# KiCad board Engine.kicad_pcb (continued)
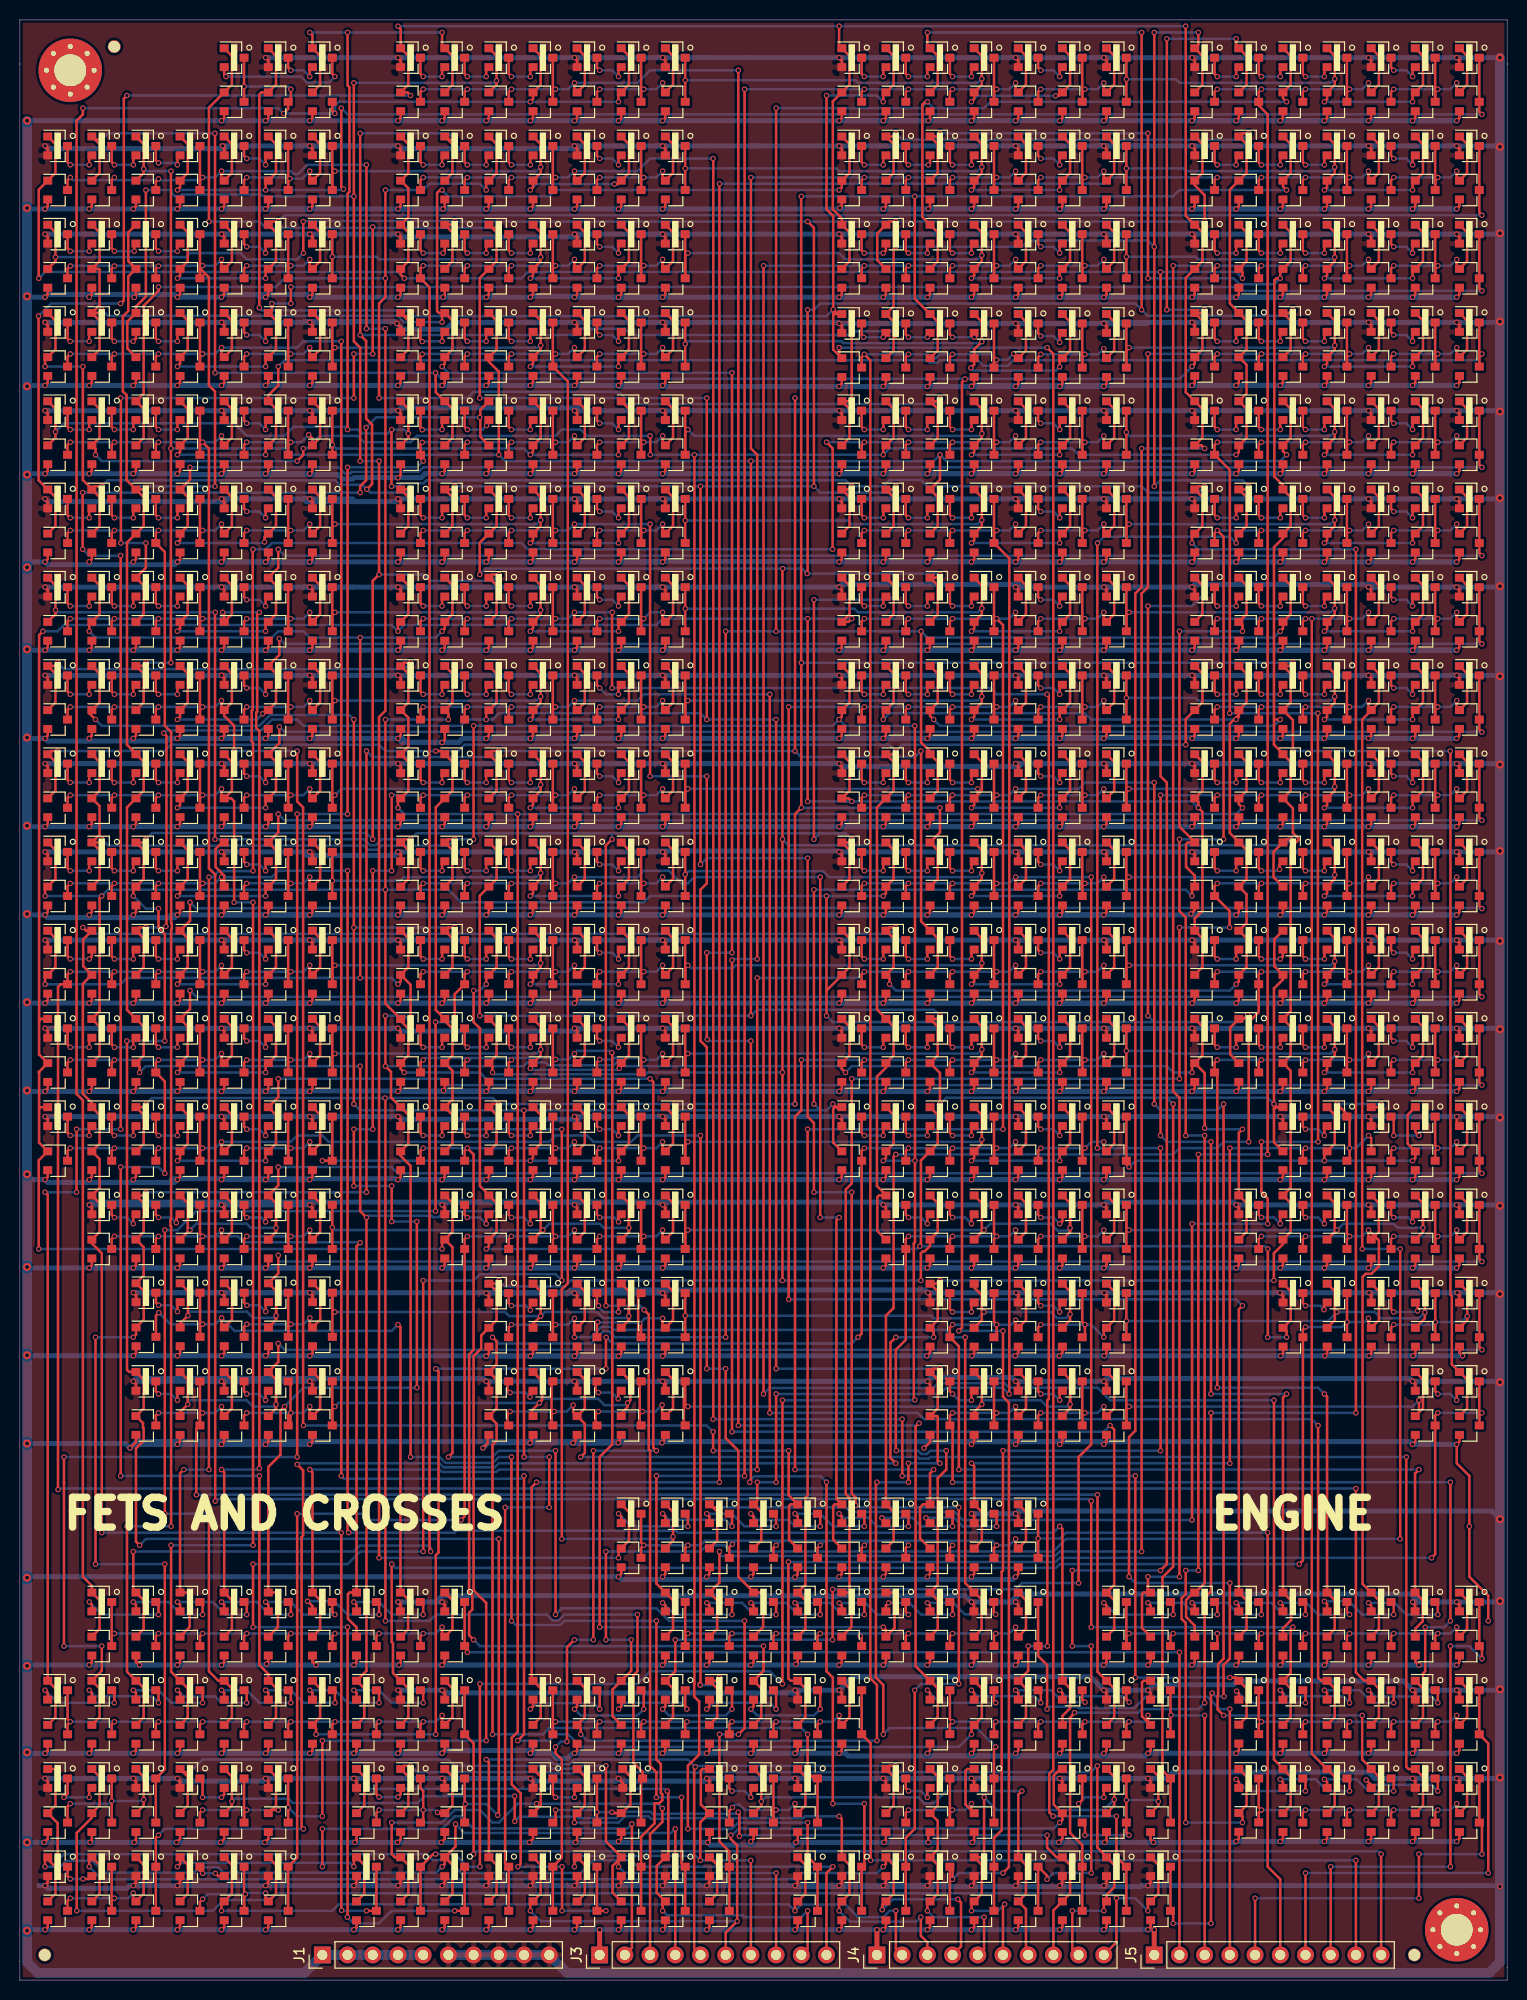
[diagram p0: board, top side]
## Routing (per net, layer and track width the routed paths; a pad name or vN(x,y) marks a point on that pad's centre or on a via; arc(x,y) is an arc through that point) (continued)
Net-(Q772-Pad3): length 4.6
  Top w0.25: v1(138.43,156.84) 138.16,157.12 Q772.3 ; Q773.2 140.33,156.89 v1(140.33,156.21)
  Bottom w0.25: v1(140.33,156.21) 139.7,156.84 v1(138.43,156.84)
Net-(Q777-Pad3): length 5
  Top w0.25: v1(6.99,147.32) 6.99,148 Q778.2 ; Q777.3 4.81,147.59 v1(5.08,147.32)
  Bottom w0.25: v1(5.08,147.32) v1(6.99,147.32)
Net-(Q778-Pad3): length 5
  Top w0.25: v1(11.43,147.32) 11.43,148 Q779.2 ; Q778.3 9.26,147.59 v1(9.53,147.32)
  Bottom w0.25: v1(9.53,147.32) v1(11.43,147.32)
Net-(Q779-Pad3): length 5
  Top w0.25: v1(15.87,147.32) 15.87,148 Q780.2 ; Q779.3 13.7,147.59 v1(13.97,147.32)
  Bottom w0.25: v1(13.97,147.32) v1(15.87,147.32)
Net-(Q786-Pad3): length 4.6
  Top w0.25: v1(22.86,147.95) 22.59,148.22 Q786.3 ; Q787.2 24.77,148 v1(24.77,147.32)
  Bottom w0.25: v1(24.77,147.32) 24.13,147.95 v1(22.86,147.95)
Net-(Q791-Pad3): length 5
  Top w0.25: v1(42.54,147.32) 42.54,148 Q792.2 ; Q791.3 40.37,147.59 v1(40.64,147.32)
  Bottom w0.25: v1(40.64,147.32) v1(42.54,147.32)
Net-(Q792-Pad3): length 5
  Top w0.25: v1(46.99,147.32) 46.99,148 Q793.2 ; Q792.3 44.81,147.59 v1(45.09,147.32)
  Bottom w0.25: v1(45.09,147.32) v1(46.99,147.32)
Net-(Q793-Pad3): length 5
  Top w0.25: v1(51.43,147.32) 51.43,148 Q794.2 ; Q793.3 49.26,147.59 v1(49.53,147.32)
  Bottom w0.25: v1(49.53,147.32) v1(51.43,147.32)
Net-(Q800-Pad3): length 4.6
  Top w0.25: v1(58.42,147.95) 58.15,148.22 Q800.3 ; Q801.2 60.32,148 v1(60.32,147.32)
  Bottom w0.25: v1(60.32,147.32) 59.69,147.95 v1(58.42,147.95)
Net-(Q805-Pad3): length 5
  Top w0.25: v1(87,147.32) 87,148 Q806.2 ; Q805.3 84.82,147.59 v1(85.09,147.32)
  Bottom w0.25: v1(85.09,147.32) v1(87,147.32)
Net-(Q806-Pad3): length 5
  Top w0.25: v1(91.44,147.32) 91.44,148 Q807.2 ; Q806.3 89.27,147.59 v1(89.54,147.32)
  Bottom w0.25: v1(89.54,147.32) v1(91.44,147.32)
Net-(Q807-Pad3): length 5
  Top w0.25: v1(95.89,147.32) 95.89,148 Q808.2 ; Q807.3 93.71,147.59 v1(93.98,147.32)
  Bottom w0.25: v1(93.98,147.32) v1(95.89,147.32)
Net-(Q814-Pad3): length 4.6
  Top w0.25: v1(102.87,147.95) 102.6,148.22 Q814.3 ; Q815.2 104.78,148 v1(104.78,147.32)
  Bottom w0.25: v1(104.78,147.32) 104.14,147.95 v1(102.87,147.95)
Net-(Q819-Pad3): length 5
  Top w0.25: v1(122.55,147.32) 122.55,148 Q820.2 ; Q819.3 120.38,147.59 v1(120.65,147.32)
  Bottom w0.25: v1(120.65,147.32) v1(122.55,147.32)
Net-(Q820-Pad3): length 5
  Top w0.25: v1(127,147.32) 127,148 Q821.2 ; Q820.3 124.83,147.59 v1(125.1,147.32)
  Bottom w0.25: v1(125.1,147.32) v1(127,147.32)
Net-(Q821-Pad3): length 5
  Top w0.25: v1(131.44,147.32) 131.44,148 Q822.2 ; Q821.3 129.27,147.59 v1(129.54,147.32)
  Bottom w0.25: v1(129.54,147.32) v1(131.44,147.32)
Net-(Q828-Pad3): length 4.6
  Top w0.25: v1(138.43,147.95) 138.16,148.22 Q828.3 ; Q829.2 140.33,148 v1(140.33,147.32)
  Bottom w0.25: v1(140.33,147.32) 139.7,147.95 v1(138.43,147.95)
Net-(Q833-Pad3): length 5
  Top w0.25: Q833.3 40.37,174.26 v1(40.64,173.99) ; Q834.2 42.81,174.16 v1(42.64,173.99)
  Bottom w0.25: v1(40.64,173.99) v1(42.64,173.99)
Net-(Q834-Pad3): length 5
  Top w0.25: v1(46.99,173.99) 46.99,174.67 Q835.2 ; Q834.3 44.81,174.26 v1(45.09,173.99)
  Bottom w0.25: v1(45.09,173.99) v1(46.99,173.99)
Net-(Q835-Pad3): length 5
  Top w0.25: v1(51.43,173.99) 51.43,174.67 Q836.2 ; Q835.3 49.26,174.26 v1(49.53,173.99)
  Bottom w0.25: v1(49.53,173.99) v1(51.43,173.99)
Net-(Q842-Pad3): length 4.6
  Top w0.25: v1(58.42,174.62) 58.15,174.89 Q842.3 ; Q843.2 60.32,174.67 v1(60.32,173.99)
  Bottom w0.25: v1(60.32,173.99) 59.69,174.62 v1(58.42,174.62)
Net-(Q847-Pad3): length 5
  Top w0.25: Q847.3 84.82,174.26 v1(85.09,173.99) ; v1(86.99,173.99) 87.27,174.26 Q848.2
  Bottom w0.25: v1(86.99,173.99) 86.99,173.99 v1(85.09,173.99)
Net-(Q848-Pad3): length 5
  Top w0.25: v1(91.44,173.99) 91.44,174.67 Q849.2 ; Q848.3 89.27,174.26 v1(89.54,173.99)
  Bottom w0.25: v1(89.54,173.99) v1(91.44,173.99)
Net-(Q849-Pad3): length 5
  Top w0.25: v1(95.89,173.99) 95.89,174.67 Q850.2 ; Q849.3 93.71,174.26 v1(93.98,173.99)
  Bottom w0.25: v1(93.98,173.99) v1(95.89,173.99)
Net-(Q856-Pad3): length 4.6
  Top w0.25: v1(102.87,174.62) 102.6,174.89 Q856.3 ; Q857.2 104.78,174.67 v1(104.78,173.99)
  Bottom w0.25: v1(104.78,173.99) 104.14,174.62 v1(102.87,174.62)
Net-(Q861-Pad3): length 5
  Top w0.25: v1(122.55,173.99) 122.55,174.67 Q862.2 ; Q861.3 120.38,174.26 v1(120.65,173.99)
  Bottom w0.25: v1(120.65,173.99) v1(122.55,173.99)
Net-(Q862-Pad3): length 5
  Top w0.25: v1(127,173.99) 127,174.67 Q863.2 ; Q862.3 124.83,174.26 v1(125.1,173.99)
  Bottom w0.25: v1(125.1,173.99) v1(127,173.99)
Net-(Q863-Pad3): length 5
  Top w0.25: v1(131.44,173.99) 131.44,174.67 Q864.2 ; Q863.3 129.27,174.26 v1(129.54,173.99)
  Bottom w0.25: v1(129.54,173.99) v1(131.44,173.99)
Net-(Q870-Pad3): length 4.6
  Top w0.25: v1(138.43,174.62) 138.16,174.89 Q870.3 ; Q871.2 140.33,174.67 v1(140.33,173.99)
  Bottom w0.25: v1(140.33,173.99) 139.7,174.62 v1(138.43,174.62)
Net-(Q875-Pad3): length 5
  Top w0.25: v1(6.99,165.1) 6.99,165.78 Q876.2 ; Q875.3 4.81,165.37 v1(5.08,165.1)
  Bottom w0.25: v1(5.08,165.1) v1(6.99,165.1)
Net-(Q876-Pad3): length 5
  Top w0.25: Q876.3 9.26,165.37 v1(9.53,165.1) ; v1(11.43,165.1) 11.7,165.37 Q877.2
  Bottom w0.25: v1(9.53,165.1) v1(11.43,165.1)
Net-(Q877-Pad3): length 5
  Top w0.25: v1(15.87,165.1) 15.87,165.78 Q878.2 ; Q877.3 13.7,165.37 v1(13.97,165.1)
  Bottom w0.25: v1(13.97,165.1) v1(15.87,165.1)
Net-(Q884-Pad3): length 4.6
  Top w0.25: v1(22.86,165.73) 22.59,166 Q884.3 ; Q885.2 24.77,165.78 v1(24.77,165.1)
  Bottom w0.25: v1(24.77,165.1) 24.13,165.73 v1(22.86,165.73)
Net-(Q889-Pad3): length 5.1
  Top w0.25: v1(42.54,165.1) 42.54,165.78 Q890.2 ; Q889.3 40.37,165.26 v1(40.54,165.08)
  Bottom w0.25: v1(40.54,165.08) 40.56,165.1 v1(42.54,165.1)
Net-(Q890-Pad3): length 5
  Top w0.25: v1(46.99,165.1) 46.99,165.78 Q891.2 ; Q890.3 44.81,165.37 v1(45.09,165.1)
  Bottom w0.25: v1(45.09,165.1) v1(46.99,165.1)
Net-(Q891-Pad3): length 5
  Top w0.25: v1(51.43,165.1) 51.43,165.78 Q892.2 ; Q891.3 49.26,165.37 v1(49.53,165.1)
  Bottom w0.25: v1(49.53,165.1) v1(51.43,165.1)
Net-(Q898-Pad3): length 4.6
  Top w0.25: v1(58.42,165.73) 58.15,166 Q898.3 ; Q899.2 60.32,165.78 v1(60.32,165.1)
  Bottom w0.25: v1(60.32,165.1) 59.69,165.73 v1(58.42,165.73)
Net-(Q903-Pad3): length 4
  Top w0.25: Q903.3 84.82,165.7 v1(85,165.52) ; v1(86.99,165.52) 87.27,165.79 Q904.2
  Bottom w0.25: v1(86.99,165.52) v1(85,165.52)
Net-(Q904-Pad3): length 3.9
  Top w0.25: v1(91.43,165.52) 91.71,165.79 Q905.2 ; Q904.3 89.27,165.78 v1(89.53,165.52)
  Bottom w0.25: v1(91.43,165.52) v1(89.53,165.52)
Net-(Q905-Pad3): length 4.1
  Top w0.25: Q906.2 96.16,165.53 v1(96.17,165.52) ; Q905.3 93.71,165.78 v1(93.97,165.52)
  Bottom w0.25: v1(96.17,165.52) v1(93.97,165.52)
Net-(Q912-Pad3): length 4.6
  Top w0.25: v1(102.87,165.63) 102.6,165.9 Q912.3 ; Q913.2 104.78,165.68 v1(104.78,165)
  Bottom w0.25: v1(104.78,165) 104.14,165.63 v1(102.87,165.63)
Net-(Q917-Pad3): length 5
  Top w0.25: v1(122.55,165.1) 122.55,165.78 Q918.2 ; Q917.3 120.38,165.37 v1(120.65,165.1)
  Bottom w0.25: v1(120.65,165.1) v1(122.55,165.1)
Net-(Q918-Pad3): length 5
  Top w0.25: v1(127,165.1) 127,165.78 Q919.2 ; Q918.3 124.83,165.37 v1(125.1,165.1)
  Bottom w0.25: v1(125.1,165.1) v1(127,165.1)
Net-(Q919-Pad3): length 5
  Top w0.25: v1(131.44,165.1) 131.44,165.78 Q920.2 ; Q919.3 129.27,165.37 v1(129.54,165.1)
  Bottom w0.25: v1(129.54,165.1) v1(131.44,165.1)
Net-(Q926-Pad3): length 4.6
  Top w0.25: v1(138.43,165.73) 138.16,166 Q926.3 ; Q927.2 140.33,165.78 v1(140.33,165.1)
  Bottom w0.25: v1(140.33,165.1) 139.7,165.73 v1(138.43,165.73)
Net-(Q931-Pad3): length 5
  Top w0.25: v1(6.99,156.21) 6.99,156.89 Q932.2 ; Q931.3 4.81,156.48 v1(5.08,156.21)
  Bottom w0.25: v1(5.08,156.21) v1(6.99,156.21)
Net-(Q932-Pad3): length 5
  Top w0.25: v1(11.43,156.21) 11.43,156.89 Q933.2 ; Q932.3 9.26,156.48 v1(9.53,156.21)
  Bottom w0.25: v1(9.53,156.21) v1(11.43,156.21)
Net-(Q933-Pad3): length 5
  Top w0.25: v1(15.87,156.21) 15.87,156.89 Q934.2 ; Q933.3 13.7,156.48 v1(13.97,156.21)
  Bottom w0.25: v1(13.97,156.21) v1(15.87,156.21)
Net-(Q940-Pad3): length 4.6
  Top w0.25: v1(22.86,156.84) 22.59,157.12 Q940.3 ; Q941.2 24.77,156.89 v1(24.77,156.21)
  Bottom w0.25: v1(24.77,156.21) 24.13,156.84 v1(22.86,156.84)
Net-(Q945-Pad3): length 5.1
  Top w0.25: v1(42.54,156.21) 42.54,156.89 Q946.2 ; Q945.3 40.37,156.37 v1(40.54,156.19)
  Bottom w0.25: v1(42.54,156.21) 40.56,156.21 v1(40.54,156.19)
Net-(Q946-Pad3): length 4.8
  Top w0.25: Q946.3 44.81,156.48 v1(45.09,156.21) ; Q947.2 47.03,156.94 v1(47.03,156.61)
  Bottom w0.25: v1(45.09,156.21) 46.63,156.21 v1(47.03,156.61)
Net-(Q947-Pad3): length 5
  Top w0.25: v1(51.43,156.21) 51.43,156.89 Q948.2 ; Q947.3 49.26,156.48 v1(49.53,156.21)
  Bottom w0.25: v1(49.53,156.21) v1(51.43,156.21)
Net-(Q954-Pad3): length 4.6
  Top w0.25: v1(58.42,156.84) 58.15,157.12 Q954.3 ; Q955.2 60.32,156.89 v1(60.32,156.21)
  Bottom w0.25: v1(60.32,156.21) 59.69,156.84 v1(58.42,156.84)
Net-(Q959-Pad3): length 5
  Top w0.25: v1(42.54,191.77) 42.54,192.45 42.81,192.72 ; Q959.3 40.37,192.04 v1(40.64,191.77)
  Bottom w0.25: v1(40.64,191.77) v1(42.54,191.77)
Net-(Q960-Pad3): length 5
  Top w0.25: v1(46.99,191.77) 46.99,192.45 47.26,192.72 ; Q960.3 44.81,192.04 v1(45.09,191.77)
  Bottom w0.25: v1(45.09,191.77) v1(46.99,191.77)
Net-(Q961-Pad3): length 5
  Top w0.25: v1(51.43,191.77) 51.43,192.45 51.7,192.72 ; Q961.3 49.26,192.04 v1(49.53,191.77)
  Bottom w0.25: v1(49.53,191.77) v1(51.43,191.77)
Net-(Q968-Pad3): length 4.6
  Top w0.25: v1(58.42,192.41) 58.15,192.67 Q968.3 ; 60.59,192.72 60.32,192.45 v1(60.32,191.77)
  Bottom w0.25: v1(60.32,191.77) 59.69,192.41 v1(58.42,192.41)
Net-(Q973-Pad3): length 4.6
  Top w0.25: Q973.3 27.03,192.67 v1(27.3,192.41) ; v1(29.21,191.77) 29.21,192.45 29.48,192.72
  Bottom w0.25: v1(29.21,191.77) 28.57,192.41 v1(27.3,192.41)
Net-(Q974-Pad3): length 14.5
  Top w0.25: v1(31.75,191.77) 31.48,192.04 Q974.3 ; v1(20.76,191.77) 20.59,191.94 20.59,192.72
  Bottom w0.25: v1(31.75,191.77) 31.15,191.17 28.92,191.17 28.32,191.77 v1(20.76,191.77)
Net-(Q979-Pad3): length 5
  Top w0.25: v1(87,191.77) 87,192.45 87.27,192.72 ; Q979.3 84.82,192.04 v1(85.09,191.77)
  Bottom w0.25: v1(85.09,191.77) v1(87,191.77)
Net-(Q980-Pad3): length 5
  Top w0.25: v1(91.44,191.77) 91.44,192.45 91.71,192.72 ; Q980.3 89.27,192.04 v1(89.54,191.77)
  Bottom w0.25: v1(89.54,191.77) v1(91.44,191.77)
Net-(Q981-Pad3): length 5
  Top w0.25: v1(95.89,191.77) 95.89,192.45 96.16,192.72 ; Q981.3 93.71,192.04 v1(93.98,191.77)
  Bottom w0.25: v1(93.98,191.77) v1(95.89,191.77)
Net-(Q988-Pad3): length 4.6
  Top w0.25: v1(102.87,192.41) 102.6,192.67 Q988.3 ; 105.05,192.72 104.78,192.45 v1(104.78,191.77)
  Bottom w0.25: v1(104.78,191.77) 104.14,192.41 v1(102.87,192.41)
Net-(Q993-Pad3): length 5
  Top w0.25: v1(120.65,191.77) 120.38,192.04 Q993.3 ; v1(122.55,191.77) 122.55,192.45 122.83,192.72
  Bottom w0.25: v1(120.65,191.77) v1(122.55,191.77)
Net-(Q994-Pad3): length 5
  Top w0.25: v1(125.1,191.77) 124.83,192.04 Q994.3 ; v1(127,191.77) 127,192.45 127.27,192.72
  Bottom w0.25: v1(125.1,191.77) v1(127,191.77)
Net-(Q995-Pad3): length 5
  Top w0.25: v1(131.44,191.77) 131.44,192.45 131.72,192.72 ; Q995.3 129.27,192.04 v1(129.54,191.77)
  Bottom w0.25: v1(129.54,191.77) v1(131.44,191.77)
Net-(Q1002-Pad3): length 4.6
  Top w0.25: 140.6,192.72 140.33,192.45 v1(140.33,191.77) ; v1(138.43,192.41) 138.16,192.67 Q1002.3
  Bottom w0.25: v1(140.33,191.77) 139.7,192.41 v1(138.43,192.41)
Net-(Q1007-Pad3): length 5
  Top w0.25: v1(6.99,182.88) 6.99,183.56 Q1008.2 ; Q1007.3 4.81,183.15 v1(5.08,182.88)
  Bottom w0.25: v1(5.08,182.88) v1(6.99,182.88)
Net-(Q1008-Pad3): length 5
  Top w0.25: v1(11.43,182.88) 11.43,183.56 Q1009.2 ; Q1008.3 9.26,183.15 v1(9.53,182.88)
  Bottom w0.25: v1(9.53,182.88) v1(11.43,182.88)
Net-(Q1009-Pad3): length 4.9
  Top w0.25: v1(15.87,182.88) 15.87,183.56 Q1010.2 ; v1(13.97,183.07) 13.7,183.34 Q1009.3
  Bottom w0.25: v1(15.87,182.88) 15.68,183.07 v1(13.97,183.07)
Net-(Q1016-Pad3): length 4.6
  Top w0.25: v1(22.86,183.51) 22.59,183.78 Q1016.3 ; Q1017.2 24.77,183.56 v1(24.77,182.88)
  Bottom w0.25: v1(24.77,182.88) 24.13,183.51 v1(22.86,183.51)
Net-(Q1021-Pad3): length 5
  Top w0.25: v1(42.54,182.88) 42.54,183.56 Q1022.2 ; Q1021.3 40.37,183.15 v1(40.64,182.88)
  Bottom w0.25: v1(40.64,182.88) v1(42.54,182.88)
Net-(Q1022-Pad3): length 5
  Top w0.25: v1(46.99,182.88) 46.99,183.56 Q1023.2 ; Q1022.3 44.81,183.15 v1(45.09,182.88)
  Bottom w0.25: v1(45.09,182.88) v1(46.99,182.88)
Net-(Q1023-Pad3): length 5
  Top w0.25: v1(51.43,182.88) 51.43,183.56 Q1024.2 ; Q1023.3 49.26,183.15 v1(49.53,182.88)
  Bottom w0.25: v1(49.53,182.88) v1(51.43,182.88)
Net-(Q1030-Pad3): length 4.6
  Top w0.25: v1(58.42,183.51) 58.15,183.78 Q1030.3 ; Q1031.2 60.32,183.56 v1(60.32,182.88)
  Bottom w0.25: v1(60.32,182.88) 59.69,183.51 v1(58.42,183.51)
Net-(Q1035-Pad3): length 5
  Top w0.25: v1(87,182.88) 87,183.56 Q1036.2 ; Q1035.3 84.82,183.15 v1(85.09,182.88)
  Bottom w0.25: v1(85.09,182.88) v1(87,182.88)
Net-(Q1036-Pad3): length 5
  Top w0.25: Q1036.3 89.27,183.15 v1(89.54,182.88) ; v1(91.54,182.88) 91.71,183.05 Q1037.2
  Bottom w0.25: v1(89.54,182.88) v1(91.54,182.88)
Net-(Q1037-Pad3): length 5
  Top w0.25: v1(95.89,182.88) 95.89,183.56 Q1038.2 ; Q1037.3 93.71,183.15 v1(93.98,182.88)
  Bottom w0.25: v1(93.98,182.88) v1(95.89,182.88)
Net-(Q1044-Pad3): length 4.6
  Top w0.25: v1(102.87,183.51) 102.6,183.78 Q1044.3 ; Q1045.2 104.78,183.56 v1(104.78,182.88)
  Bottom w0.25: v1(104.78,182.88) 104.14,183.51 v1(102.87,183.51)
Net-(Q1049-Pad3): length 5
  Top w0.25: v1(122.55,182.88) 122.55,183.56 Q1050.2 ; Q1049.3 120.38,183.15 v1(120.65,182.88)
  Bottom w0.25: v1(120.65,182.88) v1(122.55,182.88)
Net-(Q1050-Pad3): length 5
  Top w0.25: v1(127,182.88) 127,183.56 Q1051.2 ; Q1050.3 124.83,183.15 v1(125.1,182.88)
  Bottom w0.25: v1(125.1,182.88) v1(127,182.88)
Net-(Q1051-Pad3): length 5
  Top w0.25: v1(131.44,182.88) 131.44,183.56 Q1052.2 ; Q1051.3 129.27,183.15 v1(129.54,182.88)
  Bottom w0.25: v1(129.54,182.88) v1(131.44,182.88)
Net-(Q1058-Pad3): length 4.6
  Top w0.25: v1(138.43,183.51) 138.16,183.78 Q1058.3 ; Q1059.2 140.33,183.56 v1(140.33,182.88)
  Bottom w0.25: v1(140.33,182.88) 139.7,183.51 v1(138.43,183.51)
Net-(Q1063-Pad3): length 4.6
  Top w0.25: v1(6.99,174.18) 6.99,174.67 Q1064.2 ; Q1063.3 4.81,174.45 v1(5.08,174.18)
  Bottom w0.25: v1(6.99,174.18) v1(5.08,174.18)
Net-(Q1064-Pad3): length 4.7
  Top w0.25: v1(9.53,174.18) 9.26,174.45 Q1064.3 ; v1(11.53,174.18) 11.53,174.77 Q1065.2
  Bottom w0.25: v1(9.53,174.18) v1(11.53,174.18)
Net-(Q1065-Pad3): length 4.6
  Top w0.25: v1(15.87,174.18) 15.87,174.67 Q1066.2 ; Q1065.3 13.7,174.45 v1(13.97,174.18)
  Bottom w0.25: v1(15.87,174.18) v1(13.97,174.18)
Net-(Q1072-Pad3): length 4.6
  Top w0.25: v1(22.86,174.62) 22.59,174.89 Q1072.3 ; Q1073.2 24.77,174.67 v1(24.77,173.99)
  Bottom w0.25: v1(24.77,173.99) 24.13,174.62 v1(22.86,174.62)

## Copper pours and planes (outline as drawn; the poured copper is in the pictures)
+5V on Top: 149.86,0 0,0 0,197.48 149.86,197.48
GND on Bottom: 149.86,0 0,0 0,197.48 149.86,197.48

## Text on the board
B.SilkS: v1.1
F.SilkS: FETS AND CROSSES | ENGINE
